# KiCad board unibone.kicad_pcb (continued)
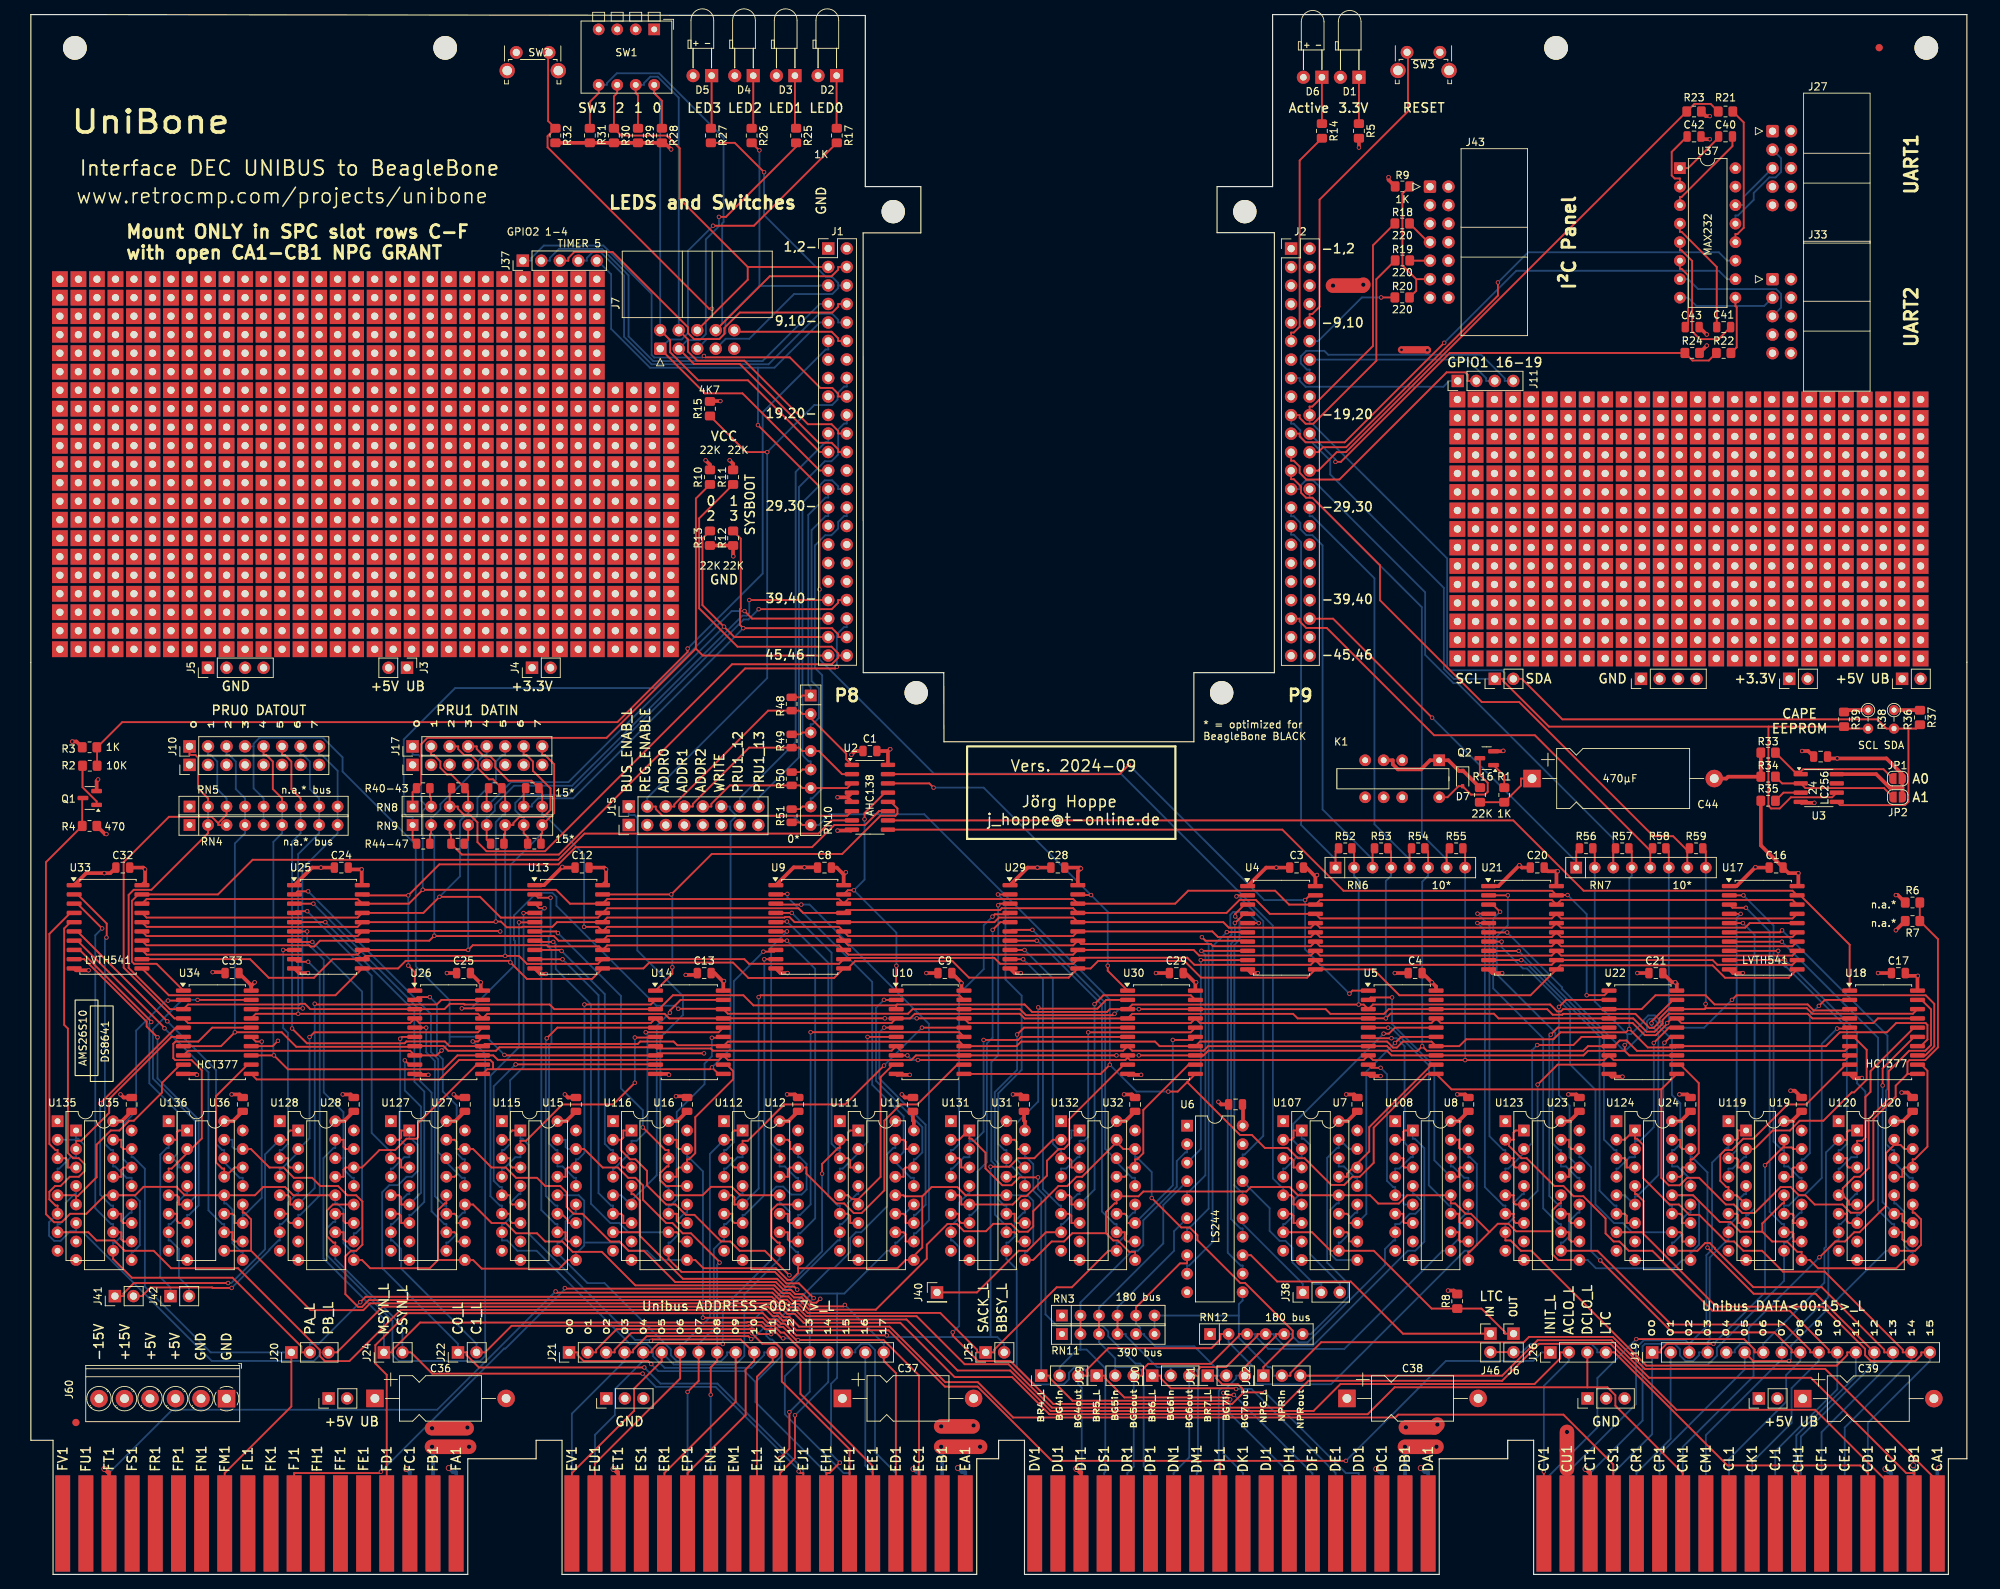
[diagram p0: board, top side]
## Placement (name value [footprint] x y rotation side) (continued)
_191105121140_766  -  [Lochraster_Square_breit]  62.41 132.08 0 top
_191105121140_767  -  [Lochraster_Square_breit]  62.41 137.16 0 top
_191105121140_768  -  [Lochraster_Square_breit]  52.25 137.16 0 top
_191105121140_769  -  [Lochraster_Square_breit]  52.25 127 0 top
_191105121140_770  -  [Lochraster_Square_breit]  59.87 129.54 0 top
_191105121140_771  -  [Lochraster_Square_breit]  62.41 147.32 0 top
_191105121140_772  -  [Lochraster_Square_breit]  59.87 147.32 0 top
_191105121140_773  -  [Lochraster_Square_breit]  62.41 127 0 top
_191105121140_774  -  [Lochraster_Square_breit]  70.03 127 0 top
_191105121140_775  -  [Lochraster_Square_breit]  70.03 132.08 0 top
_191105121140_776  -  [Lochraster_Square_breit]  70.03 129.54 0 top
_191105121140_777  -  [Lochraster_Square_breit]  70.03 134.62 0 top
_191105121140_778  -  [Lochraster_Square_breit]  70.03 137.16 0 top
_191105121140_779  -  [Lochraster_Square_breit]  70.03 147.32 0 top
_191105121140_780  -  [Lochraster_Square_breit]  70.03 144.78 0 top
_191105121140_781  -  [Lochraster_Square_breit]  70.03 139.7 0 top
_191105121140_782  -  [Lochraster_Square_breit]  70.03 142.24 0 top
_191105121140_783  -  [Lochraster_Square_breit]  75.11 129.54 0 top
_191105121140_784  -  [Lochraster_Square_breit]  75.11 134.62 0 top
_191105121140_785  -  [Lochraster_Square_breit]  75.11 137.16 0 top
_191105121140_786  -  [Lochraster_Square_breit]  75.11 142.24 0 top
_191105121140_787  -  [Lochraster_Square_breit]  75.11 147.32 0 top
_191105121140_788  -  [Lochraster_Square_breit]  75.11 127 0 top
_191105121140_789  -  [Lochraster_Square_breit]  75.11 132.08 0 top
_191105121140_790  -  [Lochraster_Square_breit]  75.11 144.78 0 top
_191105121140_791  -  [Lochraster_Square_breit]  75.11 139.7 0 top
_191105121140_792  -  [Lochraster_Square_breit]  77.65 127 0 top
_191105121140_793  -  [Lochraster_Square_breit]  77.65 132.08 0 top
_191105121140_794  -  [Lochraster_Square_breit]  77.65 129.54 0 top
_191105121140_795  -  [Lochraster_Square_breit]  77.65 137.16 0 top
_191105121140_796  -  [Lochraster_Square_breit]  77.65 147.32 0 top
_191105121140_797  -  [Lochraster_Square_breit]  77.65 144.78 0 top
_191105121140_798  -  [Lochraster_Square_breit]  77.65 134.62 0 top
_191105121140_799  -  [Lochraster_Square_breit]  77.65 139.7 0 top
_191105121140_800  -  [Lochraster_Square_breit]  77.65 142.24 0 top
_191105121140_801  -  [Lochraster_Square_breit]  72.57 144.78 0 top
_191105121140_802  -  [Lochraster_Square_breit]  72.57 134.62 0 top
_191105121140_803  -  [Lochraster_Square_breit]  72.57 139.7 0 top
_191105121140_804  -  [Lochraster_Square_breit]  72.57 142.24 0 top
_191105121140_805  -  [Lochraster_Square_breit]  72.57 129.54 0 top
_191105121140_806  -  [Lochraster_Square_breit]  72.57 132.08 0 top
_191105121140_807  -  [Lochraster_Square_breit]  72.57 137.16 0 top
_191105121140_808  -  [Lochraster_Square_breit]  72.57 147.32 0 top
_191105121140_809  -  [Lochraster_Square_breit]  72.57 127 0 top
_191105121140_810  -  [Lochraster_Square_breit]  80.19 127 0 top
_191105121140_811  -  [Lochraster_Square_breit]  80.19 132.08 0 top
_191105121140_812  -  [Lochraster_Square_breit]  80.19 129.54 0 top
_191105121140_813  -  [Lochraster_Square_breit]  80.19 134.62 0 top
_191105121140_814  -  [Lochraster_Square_breit]  80.19 137.16 0 top
_191105121140_815  -  [Lochraster_Square_breit]  80.19 147.32 0 top
_191105121140_816  -  [Lochraster_Square_breit]  80.19 144.78 0 top
_191105121140_817  -  [Lochraster_Square_breit]  80.19 139.7 0 top
_191105121140_818  -  [Lochraster_Square_breit]  80.19 142.24 0 top
_191105121140_819  -  [Lochraster_Square_breit]  82.73 127 0 top
_191105121140_820  -  [Lochraster_Square_breit]  82.73 132.08 0 top
_191105121140_821  -  [Lochraster_Square_breit]  82.73 129.54 0 top
_191105121140_822  -  [Lochraster_Square_breit]  82.73 137.16 0 top
_191105121140_823  -  [Lochraster_Square_breit]  82.73 147.32 0 top
_191105121140_824  -  [Lochraster_Square_breit]  82.73 144.78 0 top
_191105121140_825  -  [Lochraster_Square_breit]  82.73 134.62 0 top
_191105121140_826  -  [Lochraster_Square_breit]  82.73 139.7 0 top
_191105121140_827  -  [Lochraster_Square_breit]  82.73 142.24 0 top
_191105121140_828  -  [Lochraster_Square_breit]  85.27 127 0 top
_191105121140_829  -  [Lochraster_Square_breit]  85.27 132.08 0 top
_191105121140_830  -  [Lochraster_Square_breit]  85.27 129.54 0 top
_191105121140_831  -  [Lochraster_Square_breit]  85.27 134.62 0 top
_191105121140_832  -  [Lochraster_Square_breit]  85.27 137.16 0 top
_191105121140_833  -  [Lochraster_Square_breit]  85.27 147.32 0 top
_191105121140_834  -  [Lochraster_Square_breit]  85.27 144.78 0 top
_191105121140_835  -  [Lochraster_Square_breit]  85.27 139.7 0 top
_191105121140_836  -  [Lochraster_Square_breit]  85.27 142.24 0 top
_191105121140_837  -  [Lochraster_Square_breit]  87.81 127 0 top
_191105121140_838  -  [Lochraster_Square_breit]  87.81 132.08 0 top
_191105121140_839  -  [Lochraster_Square_breit]  87.81 129.54 0 top
_191105121140_840  -  [Lochraster_Square_breit]  87.81 134.62 0 top
_191105121140_841  -  [Lochraster_Square_breit]  87.81 137.16 0 top
_191105121140_842  -  [Lochraster_Square_breit]  87.81 147.32 0 top
_191105121140_843  -  [Lochraster_Square_breit]  87.81 144.78 0 top
_191105121140_844  -  [Lochraster_Square_breit]  87.81 139.7 0 top
_191105121140_845  -  [Lochraster_Square_breit]  87.81 142.24 0 top
_191105121140_847  -  [Lochraster_Square_breit]  233.77 125.73 0 top
_191105121140_848  -  [Lochraster_Square_breit]  249.01 125.73 0 top
_191105121140_849  -  [Lochraster_Square_breit]  241.39 125.73 0 top
_191105121140_850  -  [Lochraster_Square_breit]  228.69 125.73 0 top
_191105121140_851  -  [Lochraster_Square_breit]  205.83 125.73 0 top
_191105121140_852  -  [Lochraster_Square_breit]  231.23 125.73 0 top
_191105121140_853  -  [Lochraster_Square_breit]  195.71 125.73 0 top
_191105121140_854  -  [Lochraster_Square_breit]  251.59 125.73 0 top
_191105121140_855  -  [Lochraster_Square_breit]  198.21 125.73 0 top
_191105121140_856  -  [Lochraster_Square_breit]  203.33 125.73 0 top
_191105121140_857  -  [Lochraster_Square_breit]  238.85 125.73 0 top
_191105121140_858  -  [Lochraster_Square_breit]  243.97 125.73 0 top
_191105121140_859  -  [Lochraster_Square_breit]  236.31 125.73 0 top
_191105121140_860  -  [Lochraster_Square_breit]  256.67 125.73 0 top
_191105121140_861  -  [Lochraster_Square_breit]  254.13 125.73 0 top
_191105121140_862  -  [Lochraster_Square_breit]  259.26 125.73 0 top
_191105121140_863  -  [Lochraster_Square_breit]  200.79 125.73 0 top
_191105121140_864  -  [Lochraster_Square_breit]  246.47 125.73 0 top
_191105121140_866  -  [Lochraster_Square_breit]  254.13 161.29 0 top
_191105121140_867  -  [Lochraster_Square_breit]  256.67 161.29 0 top
_191105121140_868  -  [Lochraster_Square_breit]  259.26 161.29 0 top
_191105121140_870  -  [Lochraster_Square_breit]  228.69 161.29 0 top
_191105121140_871  -  [Lochraster_Square_breit]  203.33 161.29 0 top
_191105121140_872  -  [Lochraster_Square_breit]  205.83 161.29 0 top
_191105121140_873  -  [Lochraster_Square_breit]  198.21 161.29 0 top
_191105121140_874  -  [Lochraster_Square_breit]  195.71 161.29 0 top
_191105121140_875  -  [Lochraster_Square_breit]  200.79 161.29 0 top
_191105121140_876  -  [Lochraster_Square_breit]  233.77 161.29 0 top
_191105121140_877  -  [Lochraster_Square_breit]  231.23 161.29 0 top
_191105121140_878  -  [Lochraster_Square_breit]  241.39 161.29 0 top
_191105121140_879  -  [Lochraster_Square_breit]  238.85 161.29 0 top
_191105121140_880  -  [Lochraster_Square_breit]  249.01 161.29 0 top
_191105121140_881  -  [Lochraster_Square_breit]  246.47 161.29 0 top
_191105121140_882  -  [Lochraster_Square_breit]  243.97 161.29 0 top
_191105121140_883  -  [Lochraster_Square_breit]  251.59 161.29 0 top
_191105121140_884  -  [Lochraster_Square_breit]  236.31 161.29 0 top
_191105121140_885  -  [Lochraster_Square_breit]  231.23 128.27 0 top
_191105121140_886  -  [Lochraster_Square_breit]  238.85 128.27 0 top
_191105121140_887  -  [Lochraster_Square_breit]  259.26 128.27 0 top
_191105121140_888  -  [Lochraster_Square_breit]  249.01 128.27 0 top
_191105121140_889  -  [Lochraster_Square_breit]  236.31 128.27 0 top
_191105121140_890  -  [Lochraster_Square_breit]  246.47 128.27 0 top
_191105121140_891  -  [Lochraster_Square_breit]  203.33 128.27 0 top
_191105121140_893  -  [Lochraster_Square_breit]  241.39 128.27 0 top
_191105121140_894  -  [Lochraster_Square_breit]  200.79 128.27 0 top
_191105121140_895  -  [Lochraster_Square_breit]  195.71 128.27 0 top
_191105121140_896  -  [Lochraster_Square_breit]  251.59 128.27 0 top
_191105121140_897  -  [Lochraster_Square_breit]  205.83 128.27 0 top
_191105121140_898  -  [Lochraster_Square_breit]  256.67 128.27 0 top
_191105121140_899  -  [Lochraster_Square_breit]  228.69 128.27 0 top
_191105121140_900  -  [Lochraster_Square_breit]  243.97 128.27 0 top
_191105121140_901  -  [Lochraster_Square_breit]  198.21 128.27 0 top
_191105121140_902  -  [Lochraster_Square_breit]  254.13 128.27 0 top
_191105121140_903  -  [Lochraster_Square_breit]  233.77 128.27 0 top
_191105121140_904  -  [Lochraster_Square_breit]  251.59 130.81 0 top
_191105121140_905  -  [Lochraster_Square_breit]  200.79 130.81 0 top
_191105121140_906  -  [Lochraster_Square_breit]  238.85 130.81 0 top
_191105121140_907  -  [Lochraster_Square_breit]  249.01 130.81 0 top
_191105121140_908  -  [Lochraster_Square_breit]  203.33 130.81 0 top
_191105121140_909  -  [Lochraster_Square_breit]  236.31 130.81 0 top
_191105121140_910  -  [Lochraster_Square_breit]  231.23 130.81 0 top
_191105121140_911  -  [Lochraster_Square_breit]  259.26 130.81 0 top
_191105121140_913  -  [Lochraster_Square_breit]  246.47 130.81 0 top
_191105121140_914  -  [Lochraster_Square_breit]  241.39 130.81 0 top
_191105121140_915  -  [Lochraster_Square_breit]  195.71 130.81 0 top
_191105121140_916  -  [Lochraster_Square_breit]  205.83 130.81 0 top
_191105121140_917  -  [Lochraster_Square_breit]  256.67 130.81 0 top
_191105121140_918  -  [Lochraster_Square_breit]  228.69 130.81 0 top
_191105121140_919  -  [Lochraster_Square_breit]  243.97 130.81 0 top
_191105121140_920  -  [Lochraster_Square_breit]  198.21 130.81 0 top
_191105121140_921  -  [Lochraster_Square_breit]  254.13 130.81 0 top
_191105121140_922  -  [Lochraster_Square_breit]  233.77 130.81 0 top
_191105121140_923  -  [Lochraster_Square_breit]  259.26 133.35 0 top
_191105121140_925  -  [Lochraster_Square_breit]  241.39 133.35 0 top
_191105121140_926  -  [Lochraster_Square_breit]  195.71 133.35 0 top
_191105121140_927  -  [Lochraster_Square_breit]  205.83 133.35 0 top
_191105121140_928  -  [Lochraster_Square_breit]  236.31 133.35 0 top
_191105121140_929  -  [Lochraster_Square_breit]  238.85 133.35 0 top
_191105121140_930  -  [Lochraster_Square_breit]  231.23 133.35 0 top
_191105121140_931  -  [Lochraster_Square_breit]  251.59 133.35 0 top
_191105121140_932  -  [Lochraster_Square_breit]  256.67 133.35 0 top
_191105121140_933  -  [Lochraster_Square_breit]  228.69 133.35 0 top
_191105121140_934  -  [Lochraster_Square_breit]  243.97 133.35 0 top
_191105121140_935  -  [Lochraster_Square_breit]  246.47 133.35 0 top
_191105121140_936  -  [Lochraster_Square_breit]  249.01 133.35 0 top
_191105121140_937  -  [Lochraster_Square_breit]  200.79 133.35 0 top
_191105121140_938  -  [Lochraster_Square_breit]  203.33 133.35 0 top
_191105121140_939  -  [Lochraster_Square_breit]  233.77 133.35 0 top
_191105121140_940  -  [Lochraster_Square_breit]  254.13 133.35 0 top
_191105121140_941  -  [Lochraster_Square_breit]  198.21 133.35 0 top
_191105121140_942  -  [Lochraster_Square_breit]  241.39 135.89 0 top
_191105121140_943  -  [Lochraster_Square_breit]  254.13 135.89 0 top
_191105121140_944  -  [Lochraster_Square_breit]  195.71 135.89 0 top
_191105121140_945  -  [Lochraster_Square_breit]  238.85 135.89 0 top
_191105121140_946  -  [Lochraster_Square_breit]  231.23 135.89 0 top
_191105121140_947  -  [Lochraster_Square_breit]  200.79 135.89 0 top
_191105121140_948  -  [Lochraster_Square_breit]  228.69 135.89 0 top
_191105121140_949  -  [Lochraster_Square_breit]  205.83 135.89 0 top
_191105121140_950  -  [Lochraster_Square_breit]  203.33 135.89 0 top
_191105121140_951  -  [Lochraster_Square_breit]  259.26 135.89 0 top
_191105121140_952  -  [Lochraster_Square_breit]  243.97 135.89 0 top
_191105121140_953  -  [Lochraster_Square_breit]  256.67 135.89 0 top
_191105121140_954  -  [Lochraster_Square_breit]  233.77 135.89 0 top
_191105121140_955  -  [Lochraster_Square_breit]  249.01 135.89 0 top
_191105121140_956  -  [Lochraster_Square_breit]  251.59 135.89 0 top
_191105121140_957  -  [Lochraster_Square_breit]  246.47 135.89 0 top
_191105121140_958  -  [Lochraster_Square_breit]  236.31 135.89 0 top
_191105121140_959  -  [Lochraster_Square_breit]  198.21 135.89 0 top
_191105121140_961  -  [Lochraster_Square_breit]  236.31 138.43 0 top
_191105121140_962  -  [Lochraster_Square_breit]  243.97 138.43 0 top
_191105121140_963  -  [Lochraster_Square_breit]  249.01 138.43 0 top
_191105121140_964  -  [Lochraster_Square_breit]  198.21 138.43 0 top
_191105121140_965  -  [Lochraster_Square_breit]  203.33 138.43 0 top
_191105121140_966  -  [Lochraster_Square_breit]  246.47 138.43 0 top
_191105121140_967  -  [Lochraster_Square_breit]  241.39 138.43 0 top
_191105121140_968  -  [Lochraster_Square_breit]  256.67 138.43 0 top
_191105121140_969  -  [Lochraster_Square_breit]  259.26 138.43 0 top
_191105121140_970  -  [Lochraster_Square_breit]  205.83 138.43 0 top
_191105121140_971  -  [Lochraster_Square_breit]  200.79 138.43 0 top
_191105121140_973  -  [Lochraster_Square_breit]  254.13 138.43 0 top
_191105121140_974  -  [Lochraster_Square_breit]  228.69 138.43 0 top
_191105121140_975  -  [Lochraster_Square_breit]  231.23 138.43 0 top
_191105121140_976  -  [Lochraster_Square_breit]  238.85 138.43 0 top
_191105121140_977  -  [Lochraster_Square_breit]  233.77 138.43 0 top
_191105121140_978  -  [Lochraster_Square_breit]  251.59 138.43 0 top
_191105121140_979  -  [Lochraster_Square_breit]  195.71 138.43 0 top
_191105121140_980  -  [Lochraster_Square_breit]  259.26 140.97 0 top
_191105121140_981  -  [Lochraster_Square_breit]  236.31 140.97 0 top
_191105121140_982  -  [Lochraster_Square_breit]  256.67 140.97 0 top
_191105121140_983  -  [Lochraster_Square_breit]  241.39 140.97 0 top
_191105121140_984  -  [Lochraster_Square_breit]  246.47 140.97 0 top
_191105121140_985  -  [Lochraster_Square_breit]  249.01 140.97 0 top
_191105121140_986  -  [Lochraster_Square_breit]  243.97 140.97 0 top
_191105121140_987  -  [Lochraster_Square_breit]  198.21 140.97 0 top
_191105121140_988  -  [Lochraster_Square_breit]  203.33 140.97 0 top
_191105121140_990  -  [Lochraster_Square_breit]  254.13 140.97 0 top
_191105121140_991  -  [Lochraster_Square_breit]  231.23 140.97 0 top
_191105121140_992  -  [Lochraster_Square_breit]  228.69 140.97 0 top
_191105121140_993  -  [Lochraster_Square_breit]  238.85 140.97 0 top
_191105121140_994  -  [Lochraster_Square_breit]  233.77 140.97 0 top
_191105121140_995  -  [Lochraster_Square_breit]  205.83 140.97 0 top
_191105121140_996  -  [Lochraster_Square_breit]  251.59 140.97 0 top
_191105121140_997  -  [Lochraster_Square_breit]  200.79 140.97 0 top
_191105121140_998  -  [Lochraster_Square_breit]  195.71 140.97 0 top
_191105121140_999  -  [Lochraster_Square_breit]  236.31 143.51 0 top
_191105121140_1000  -  [Lochraster_Square_breit]  259.26 143.51 0 top
_191105121140_1001  -  [Lochraster_Square_breit]  200.79 143.51 0 top
_191105121140_1002  -  [Lochraster_Square_breit]  238.85 143.51 0 top
_191105121140_1004  -  [Lochraster_Square_breit]  233.77 143.51 0 top
_191105121140_1005  -  [Lochraster_Square_breit]  203.33 143.51 0 top
_191105121140_1006  -  [Lochraster_Square_breit]  195.71 143.51 0 top
_191105121140_1007  -  [Lochraster_Square_breit]  246.47 143.51 0 top
_191105121140_1008  -  [Lochraster_Square_breit]  249.01 143.51 0 top
_191105121140_1009  -  [Lochraster_Square_breit]  256.67 143.51 0 top
_191105121140_1010  -  [Lochraster_Square_breit]  241.39 143.51 0 top
_191105121140_1011  -  [Lochraster_Square_breit]  231.23 143.51 0 top
_191105121140_1012  -  [Lochraster_Square_breit]  198.21 143.51 0 top
_191105121140_1013  -  [Lochraster_Square_breit]  228.69 143.51 0 top
_191105121140_1014  -  [Lochraster_Square_breit]  243.97 143.51 0 top
_191105121140_1015  -  [Lochraster_Square_breit]  254.13 143.51 0 top
_191105121140_1016  -  [Lochraster_Square_breit]  205.83 143.51 0 top
_191105121140_1017  -  [Lochraster_Square_breit]  251.59 143.51 0 top
_191105121140_1018  -  [Lochraster_Square_breit]  249.01 146.05 0 top
_191105121140_1019  -  [Lochraster_Square_breit]  195.71 146.05 0 top
_191105121140_1020  -  [Lochraster_Square_breit]  200.79 146.05 0 top
_191105121140_1021  -  [Lochraster_Square_breit]  238.85 146.05 0 top
_191105121140_1022  -  [Lochraster_Square_breit]  256.67 146.05 0 top
_191105121140_1023  -  [Lochraster_Square_breit]  246.47 146.05 0 top
_191105121140_1024  -  [Lochraster_Square_breit]  236.31 146.05 0 top
_191105121140_1025  -  [Lochraster_Square_breit]  231.23 146.05 0 top
_191105121140_1026  -  [Lochraster_Square_breit]  259.26 146.05 0 top
_191105121140_1027  -  [Lochraster_Square_breit]  205.83 146.05 0 top
_191105121140_1028  -  [Lochraster_Square_breit]  198.21 146.05 0 top
_191105121140_1029  -  [Lochraster_Square_breit]  251.59 146.05 0 top
_191105121140_1030  -  [Lochraster_Square_breit]  228.69 146.05 0 top
_191105121140_1031  -  [Lochraster_Square_breit]  243.97 146.05 0 top
_191105121140_1032  -  [Lochraster_Square_breit]  203.33 146.05 0 top
_191105121140_1033  -  [Lochraster_Square_breit]  233.77 146.05 0 top
_191105121140_1034  -  [Lochraster_Square_breit]  254.13 146.05 0 top
_191105121140_1036  -  [Lochraster_Square_breit]  241.39 146.05 0 top
_191105121140_1037  -  [Lochraster_Square_breit]  236.31 148.59 0 top
_191105121140_1038  -  [Lochraster_Square_breit]  231.23 148.59 0 top
_191105121140_1039  -  [Lochraster_Square_breit]  198.21 148.59 0 top
_191105121140_1041  -  [Lochraster_Square_breit]  254.13 148.59 0 top
_191105121140_1042  -  [Lochraster_Square_breit]  233.77 148.59 0 top
_191105121140_1043  -  [Lochraster_Square_breit]  246.47 148.59 0 top
_191105121140_1044  -  [Lochraster_Square_breit]  259.26 148.59 0 top
_191105121140_1045  -  [Lochraster_Square_breit]  205.83 148.59 0 top
_191105121140_1046  -  [Lochraster_Square_breit]  251.59 148.59 0 top
_191105121140_1047  -  [Lochraster_Square_breit]  241.39 148.59 0 top
_191105121140_1048  -  [Lochraster_Square_breit]  243.97 148.59 0 top
_191105121140_1049  -  [Lochraster_Square_breit]  238.85 148.59 0 top
_191105121140_1050  -  [Lochraster_Square_breit]  228.69 148.59 0 top
_191105121140_1051  -  [Lochraster_Square_breit]  256.67 148.59 0 top
_191105121140_1052  -  [Lochraster_Square_breit]  203.33 148.59 0 top
_191105121140_1053  -  [Lochraster_Square_breit]  195.71 148.59 0 top
_191105121140_1054  -  [Lochraster_Square_breit]  200.79 148.59 0 top
_191105121140_1055  -  [Lochraster_Square_breit]  249.01 148.59 0 top
_191105121140_1057  -  [Lochraster_Square_breit]  246.47 151.13 0 top
_191105121140_1058  -  [Lochraster_Square_breit]  259.26 151.13 0 top
_191105121140_1059  -  [Lochraster_Square_breit]  205.83 151.13 0 top
_191105121140_1060  -  [Lochraster_Square_breit]  251.59 151.13 0 top
_191105121140_1061  -  [Lochraster_Square_breit]  243.97 151.13 0 top
_191105121140_1062  -  [Lochraster_Square_breit]  198.21 151.13 0 top
_191105121140_1063  -  [Lochraster_Square_breit]  256.67 151.13 0 top
_191105121140_1064  -  [Lochraster_Square_breit]  236.31 151.13 0 top
_191105121140_1065  -  [Lochraster_Square_breit]  254.13 151.13 0 top
_191105121140_1066  -  [Lochraster_Square_breit]  241.39 151.13 0 top
_191105121140_1067  -  [Lochraster_Square_breit]  228.69 151.13 0 top
_191105121140_1068  -  [Lochraster_Square_breit]  231.23 151.13 0 top
_191105121140_1069  -  [Lochraster_Square_breit]  238.85 151.13 0 top
_191105121140_1070  -  [Lochraster_Square_breit]  233.77 151.13 0 top
_191105121140_1071  -  [Lochraster_Square_breit]  203.33 151.13 0 top
_191105121140_1072  -  [Lochraster_Square_breit]  195.71 151.13 0 top
_191105121140_1073  -  [Lochraster_Square_breit]  249.01 151.13 0 top
_191105121140_1074  -  [Lochraster_Square_breit]  200.79 151.13 0 top
_191105121140_1075  -  [Lochraster_Square_breit]  233.77 153.67 0 top
_191105121140_1076  -  [Lochraster_Square_breit]  203.33 153.67 0 top
_191105121140_1077  -  [Lochraster_Square_breit]  238.85 153.67 0 top
_191105121140_1078  -  [Lochraster_Square_breit]  195.71 153.67 0 top
_191105121140_1079  -  [Lochraster_Square_breit]  256.67 153.67 0 top
_191105121140_1080  -  [Lochraster_Square_breit]  241.39 153.67 0 top
_191105121140_1081  -  [Lochraster_Square_breit]  243.97 153.67 0 top
_191105121140_1082  -  [Lochraster_Square_breit]  200.79 153.67 0 top
_191105121140_1083  -  [Lochraster_Square_breit]  198.21 153.67 0 top
_191105121140_1084  -  [Lochraster_Square_breit]  254.13 153.67 0 top
_191105121140_1085  -  [Lochraster_Square_breit]  228.69 153.67 0 top
_191105121140_1086  -  [Lochraster_Square_breit]  231.23 153.67 0 top
_191105121140_1087  -  [Lochraster_Square_breit]  249.01 153.67 0 top
_191105121140_1088  -  [Lochraster_Square_breit]  236.31 153.67 0 top
_191105121140_1089  -  [Lochraster_Square_breit]  205.83 153.67 0 top
_191105121140_1090  -  [Lochraster_Square_breit]  251.59 153.67 0 top
_191105121140_1092  -  [Lochraster_Square_breit]  246.47 153.67 0 top
_191105121140_1093  -  [Lochraster_Square_breit]  259.26 153.67 0 top
_191105121140_1094  -  [Lochraster_Square_breit]  256.67 156.21 0 top
_191105121140_1095  -  [Lochraster_Square_breit]  254.13 156.21 0 top
_191105121140_1096  -  [Lochraster_Square_breit]  233.77 156.21 0 top
_191105121140_1097  -  [Lochraster_Square_breit]  231.23 156.21 0 top
_191105121140_1098  -  [Lochraster_Square_breit]  228.69 156.21 0 top
_191105121140_1099  -  [Lochraster_Square_breit]  198.21 156.21 0 top
_191105121140_1100  -  [Lochraster_Square_breit]  205.83 156.21 0 top
_191105121140_1101  -  [Lochraster_Square_breit]  200.79 156.21 0 top
_191105121140_1102  -  [Lochraster_Square_breit]  195.71 156.21 0 top
_191105121140_1103  -  [Lochraster_Square_breit]  243.97 156.21 0 top
_191105121140_1104  -  [Lochraster_Square_breit]  241.39 156.21 0 top
_191105121140_1105  -  [Lochraster_Square_breit]  238.85 156.21 0 top
_191105121140_1106  -  [Lochraster_Square_breit]  236.31 156.21 0 top
_191105121140_1107  -  [Lochraster_Square_breit]  203.33 156.21 0 top
_191105121140_1108  -  [Lochraster_Square_breit]  249.01 156.21 0 top
_191105121140_1109  -  [Lochraster_Square_breit]  246.47 156.21 0 top
_191105121140_1110  -  [Lochraster_Square_breit]  251.59 156.21 0 top
_191105121140_1112  -  [Lochraster_Square_breit]  259.26 156.21 0 top
_191105121140_1114  -  [Lochraster_Square_breit]  259.26 158.75 0 top
_191105121140_1115  -  [Lochraster_Square_breit]  256.67 158.75 0 top
_191105121140_1116  -  [Lochraster_Square_breit]  254.13 158.75 0 top
_191105121140_1125  -  [Lochraster_Square_breit]  195.71 158.75 0 top
_191105121140_1126  -  [Lochraster_Square_breit]  198.21 158.75 0 top
_191105121140_1127  -  [Lochraster_Square_breit]  200.79 158.75 0 top
_191105121140_1128  -  [Lochraster_Square_breit]  203.33 158.75 0 top
_191105121140_1129  -  [Lochraster_Square_breit]  205.83 158.75 0 top
_191105121140_1130  -  [Lochraster_Square_breit]  228.69 158.75 0 top
_191105121140_1131  -  [Lochraster_Square_breit]  231.23 158.75 0 top
_191105121140_1132  -  [Lochraster_Square_breit]  233.77 158.75 0 top
_191105121140_1133  -  [Lochraster_Square_breit]  236.31 158.75 0 top
_191105121140_1134  -  [Lochraster_Square_breit]  238.85 158.75 0 top
_191105121140_1135  -  [Lochraster_Square_breit]  241.39 158.75 0 top
_191105121140_1136  -  [Lochraster_Square_breit]  243.97 158.75 0 top
_191105121140_1137  -  [Lochraster_Square_breit]  246.47 158.75 0 top
_191105121140_1138  -  [Lochraster_Square_breit]  249.01 158.75 0 top
_191105121140_1139  -  [Lochraster_Square_breit]  251.59 158.75 0 top
_241105121140_1139  -  [Lochraster_Square_breit]  87.81 162.56 0 top
_241105121140_1140  -  [Lochraster_Square_breit]  85.27 162.56 0 top
_241105121140_1141  -  [Lochraster_Square_breit]  82.73 162.56 0 top
_241105121140_1144  -  [Lochraster_Square_breit]  80.19 162.56 0 top
C1  100nF  [C_0805_2012Metric]  115.11 113.03 0 top
C2  100nF  [C_0805_2012Metric]  245.54 112.27 180 top
C3  100nF  [C_0805_2012Metric]  173.65 97.03 0 top
C4  100nF  [C_0805_2012Metric]  189.92 82.55 0 top
C5  100nF  [C_0805_2012Metric]  165.28 64.52 0 top
C6  100nF  [C_0805_2012Metric]  181.98 64.52 270 top
C7  100nF  [C_0805_2012Metric]  197.22 64.52 270 top
C8  100nF  [C_0805_2012Metric]  108.88 97.03 0 top
C9  100nF  [C_0805_2012Metric]  125.4 82.55 0 top